# Altium PCB Nucleo Shield.PcbDoc
Units mil, origin at the board's own origin, x right, y up, seen from the top; angles counter-clockwise.
Board outline 3932.07 x 3927.06 mil, 4 copper layers (Top Layer, GND, Power, Bottom Layer), stack 23.756 mil thick; 70 components, 62 nets, 290 pads, 454 vias.
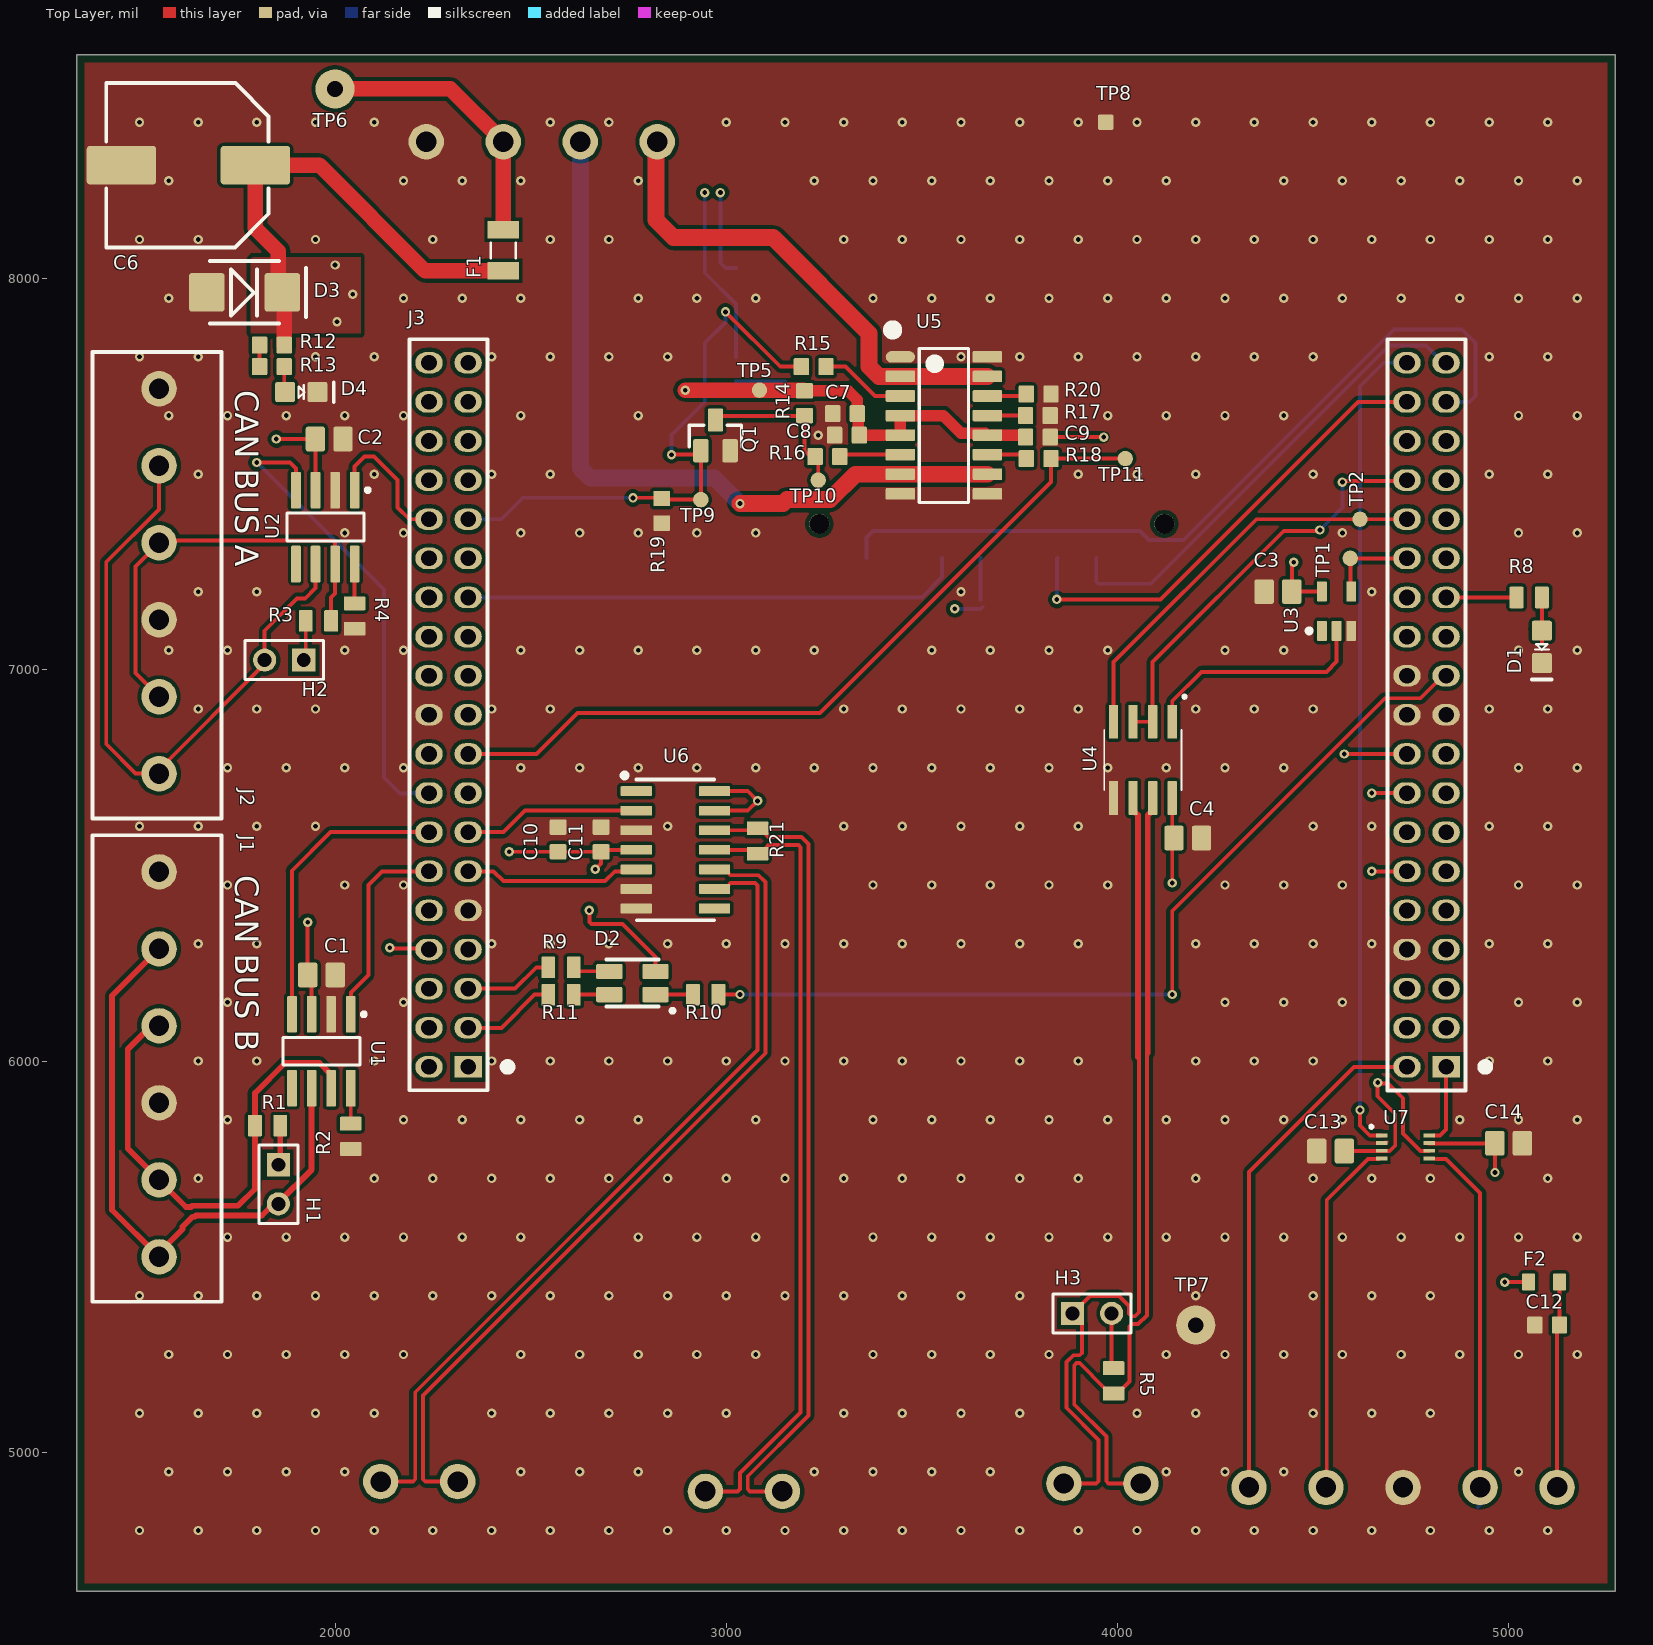
[diagram p0: Top Layer view]
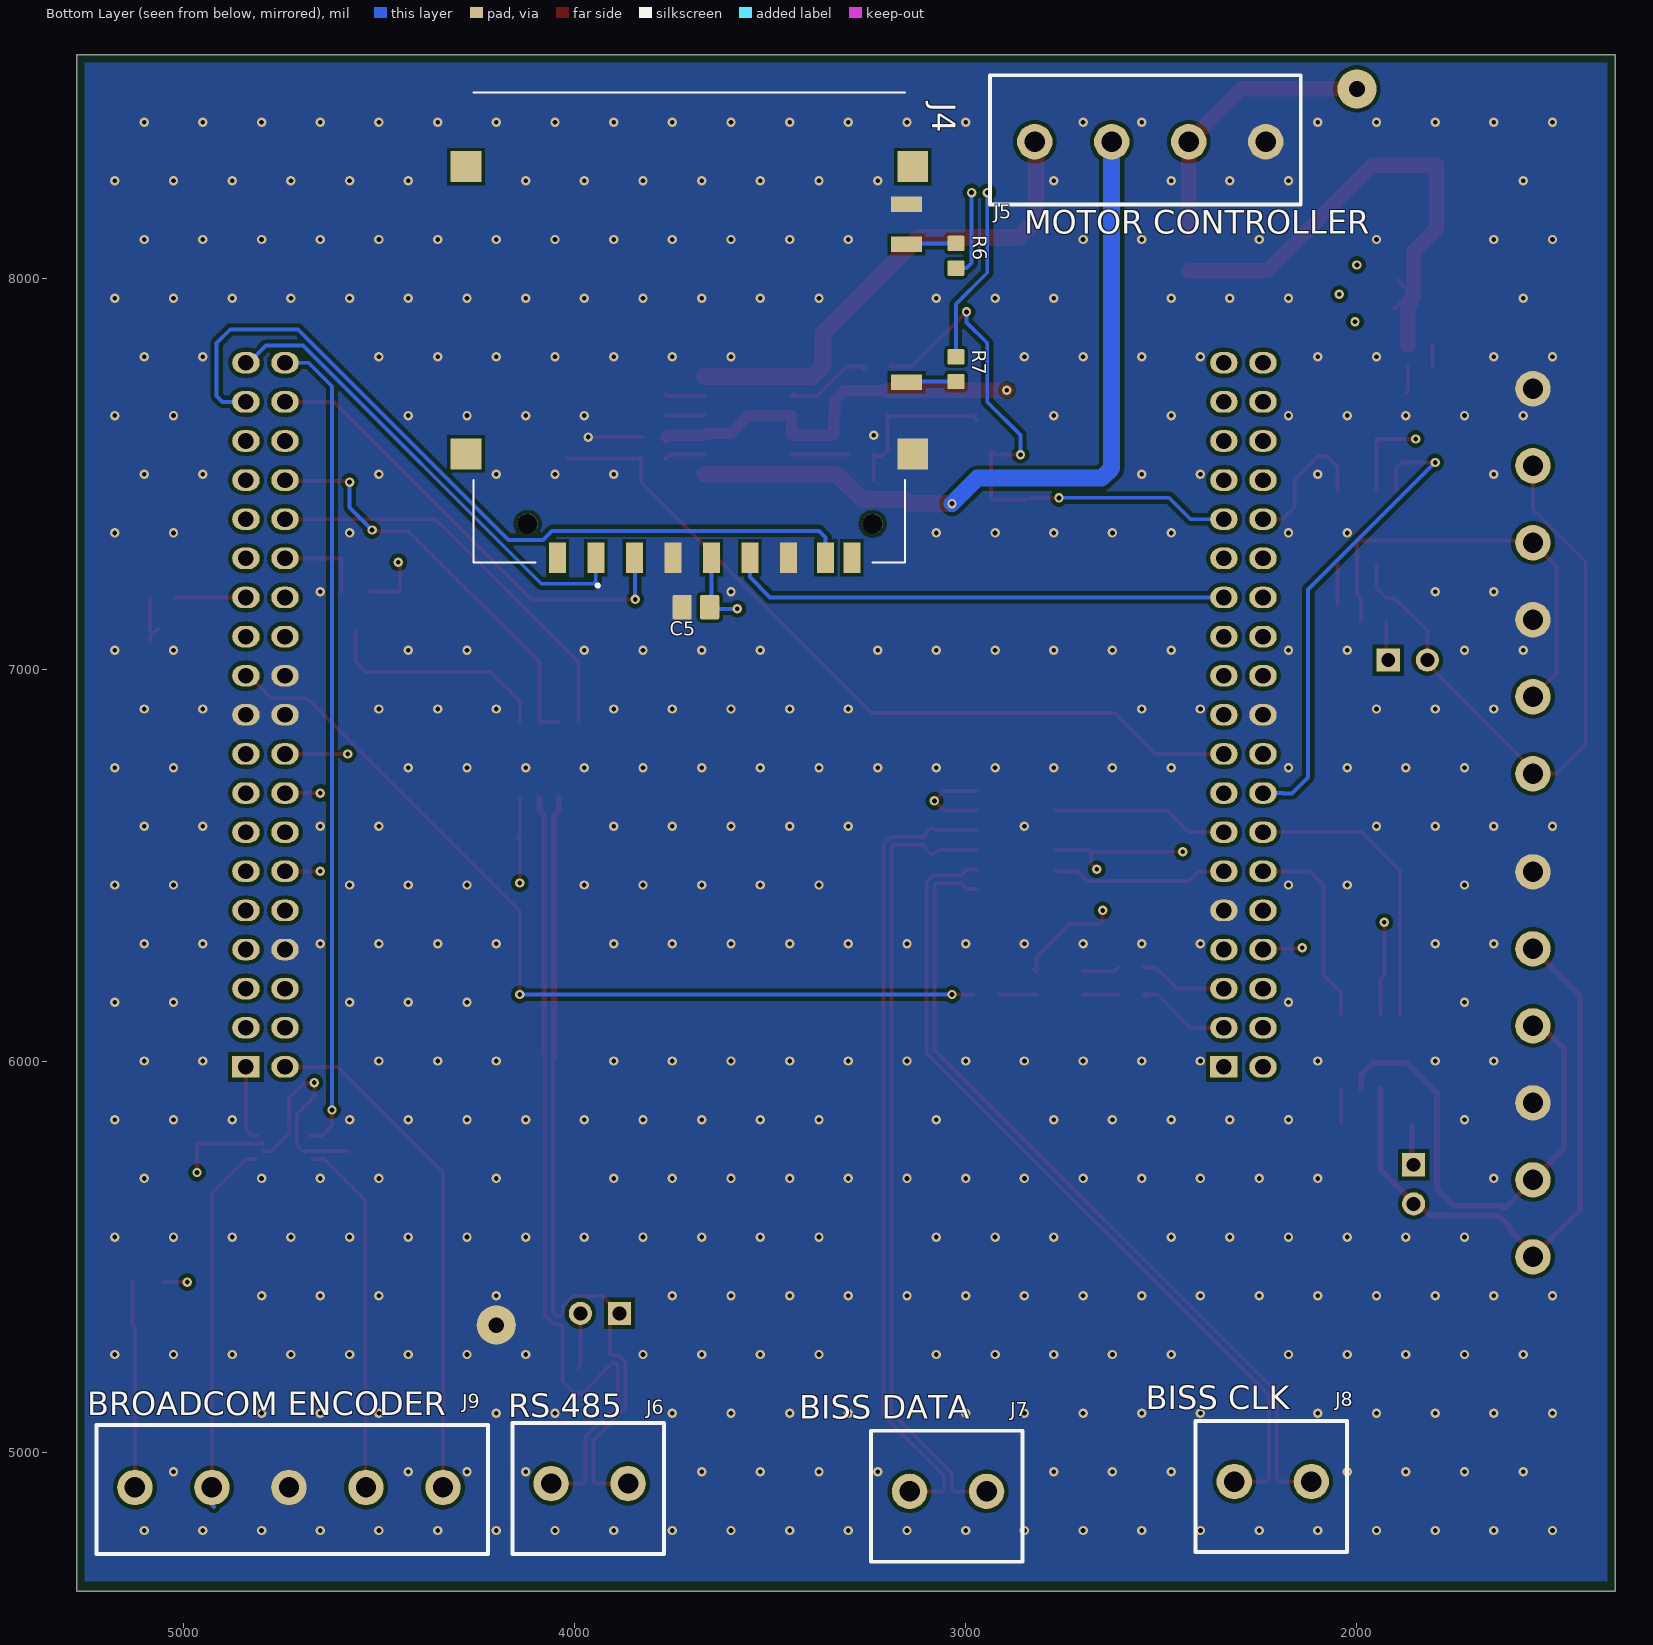
[diagram p1: Bottom Layer view, seen from below]
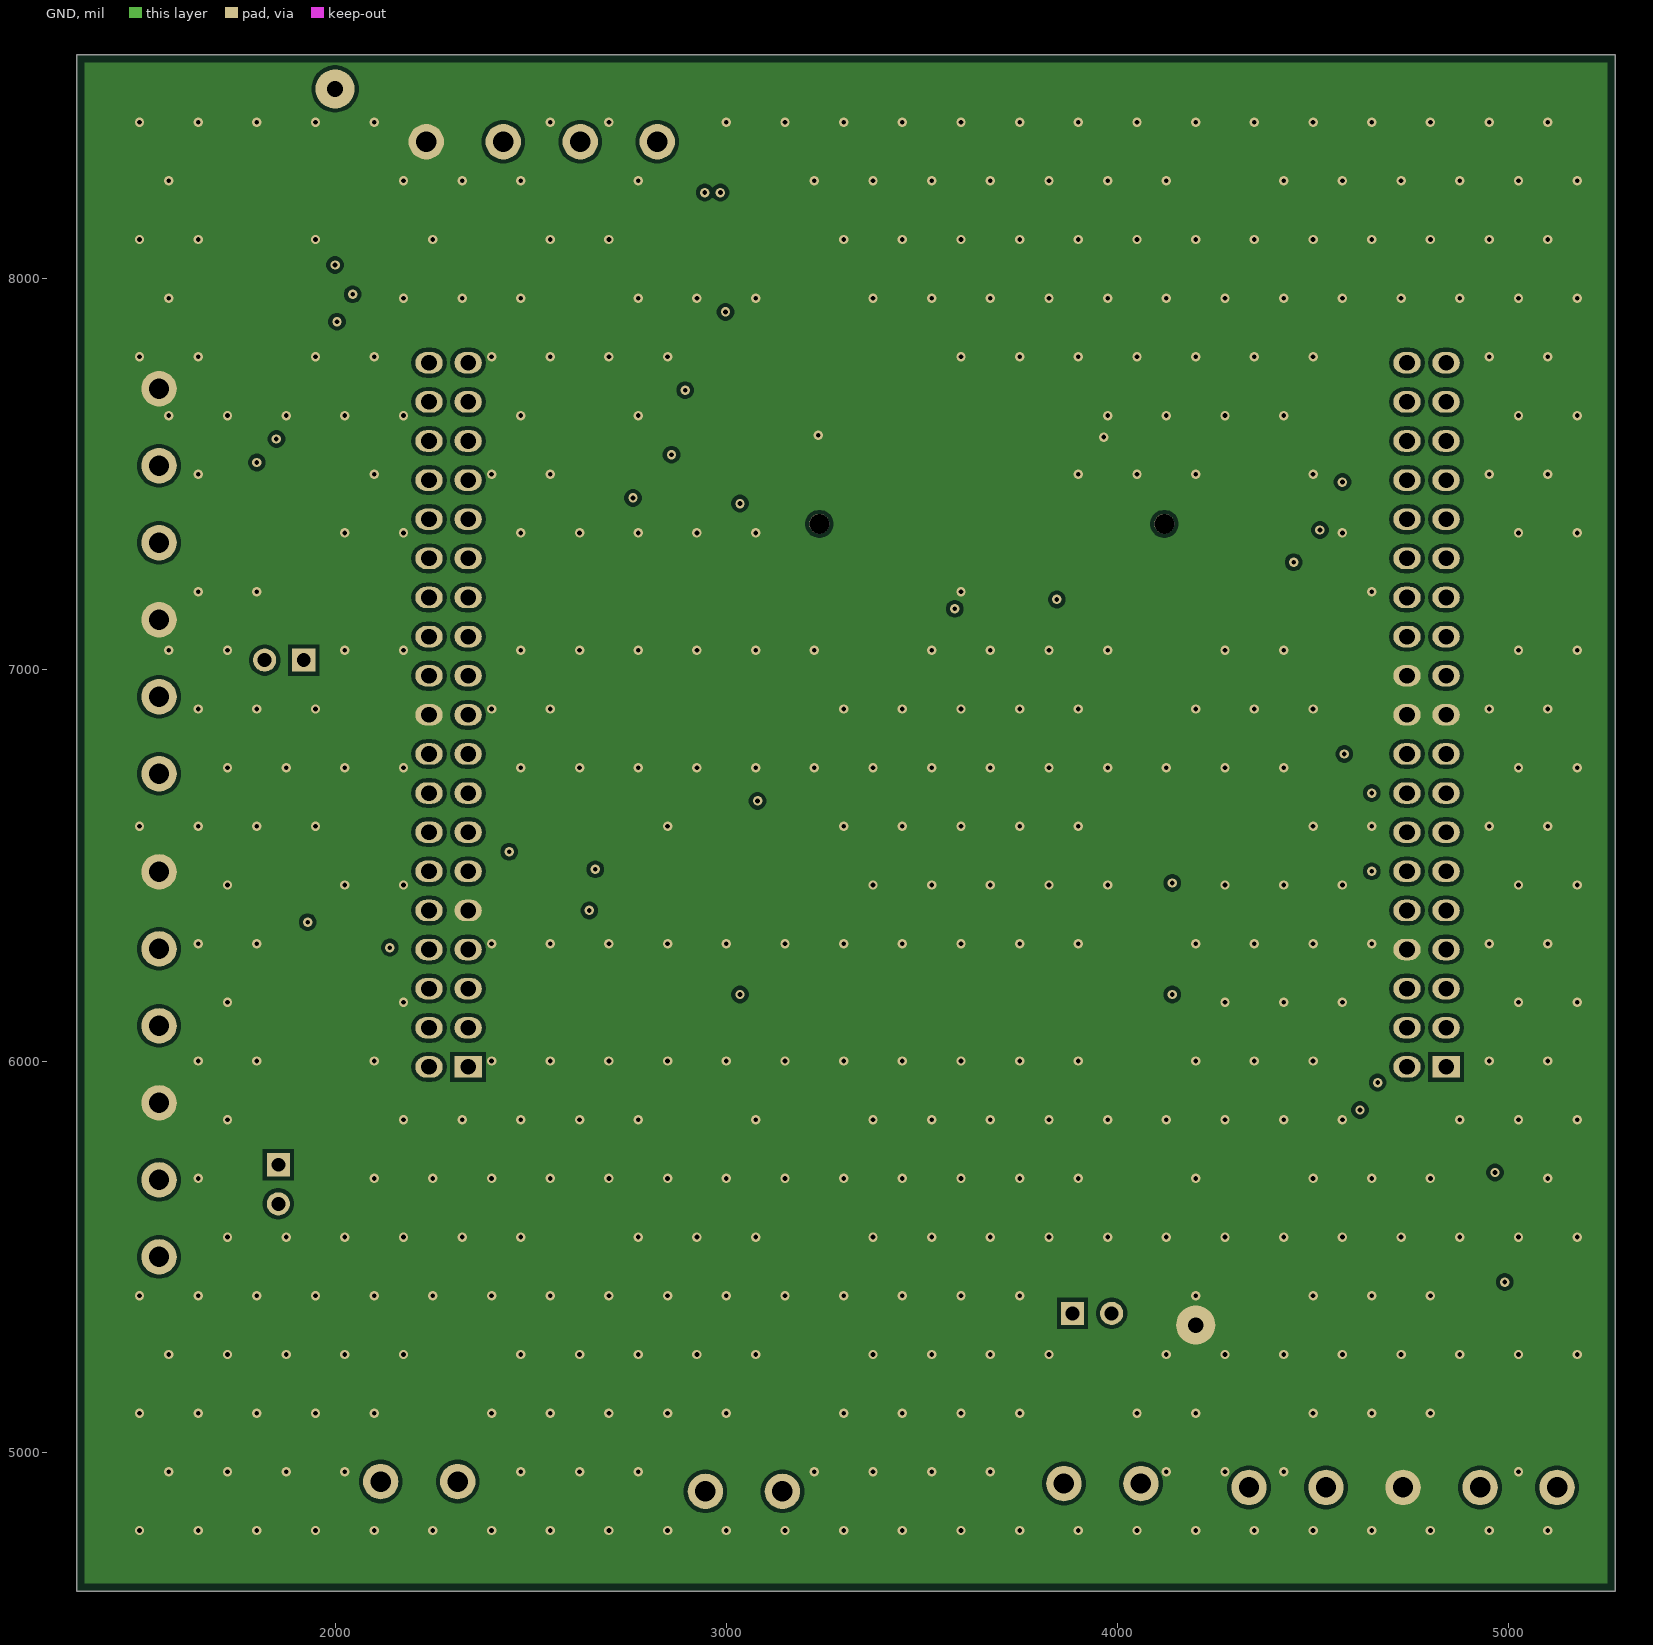
[diagram p2: GND]
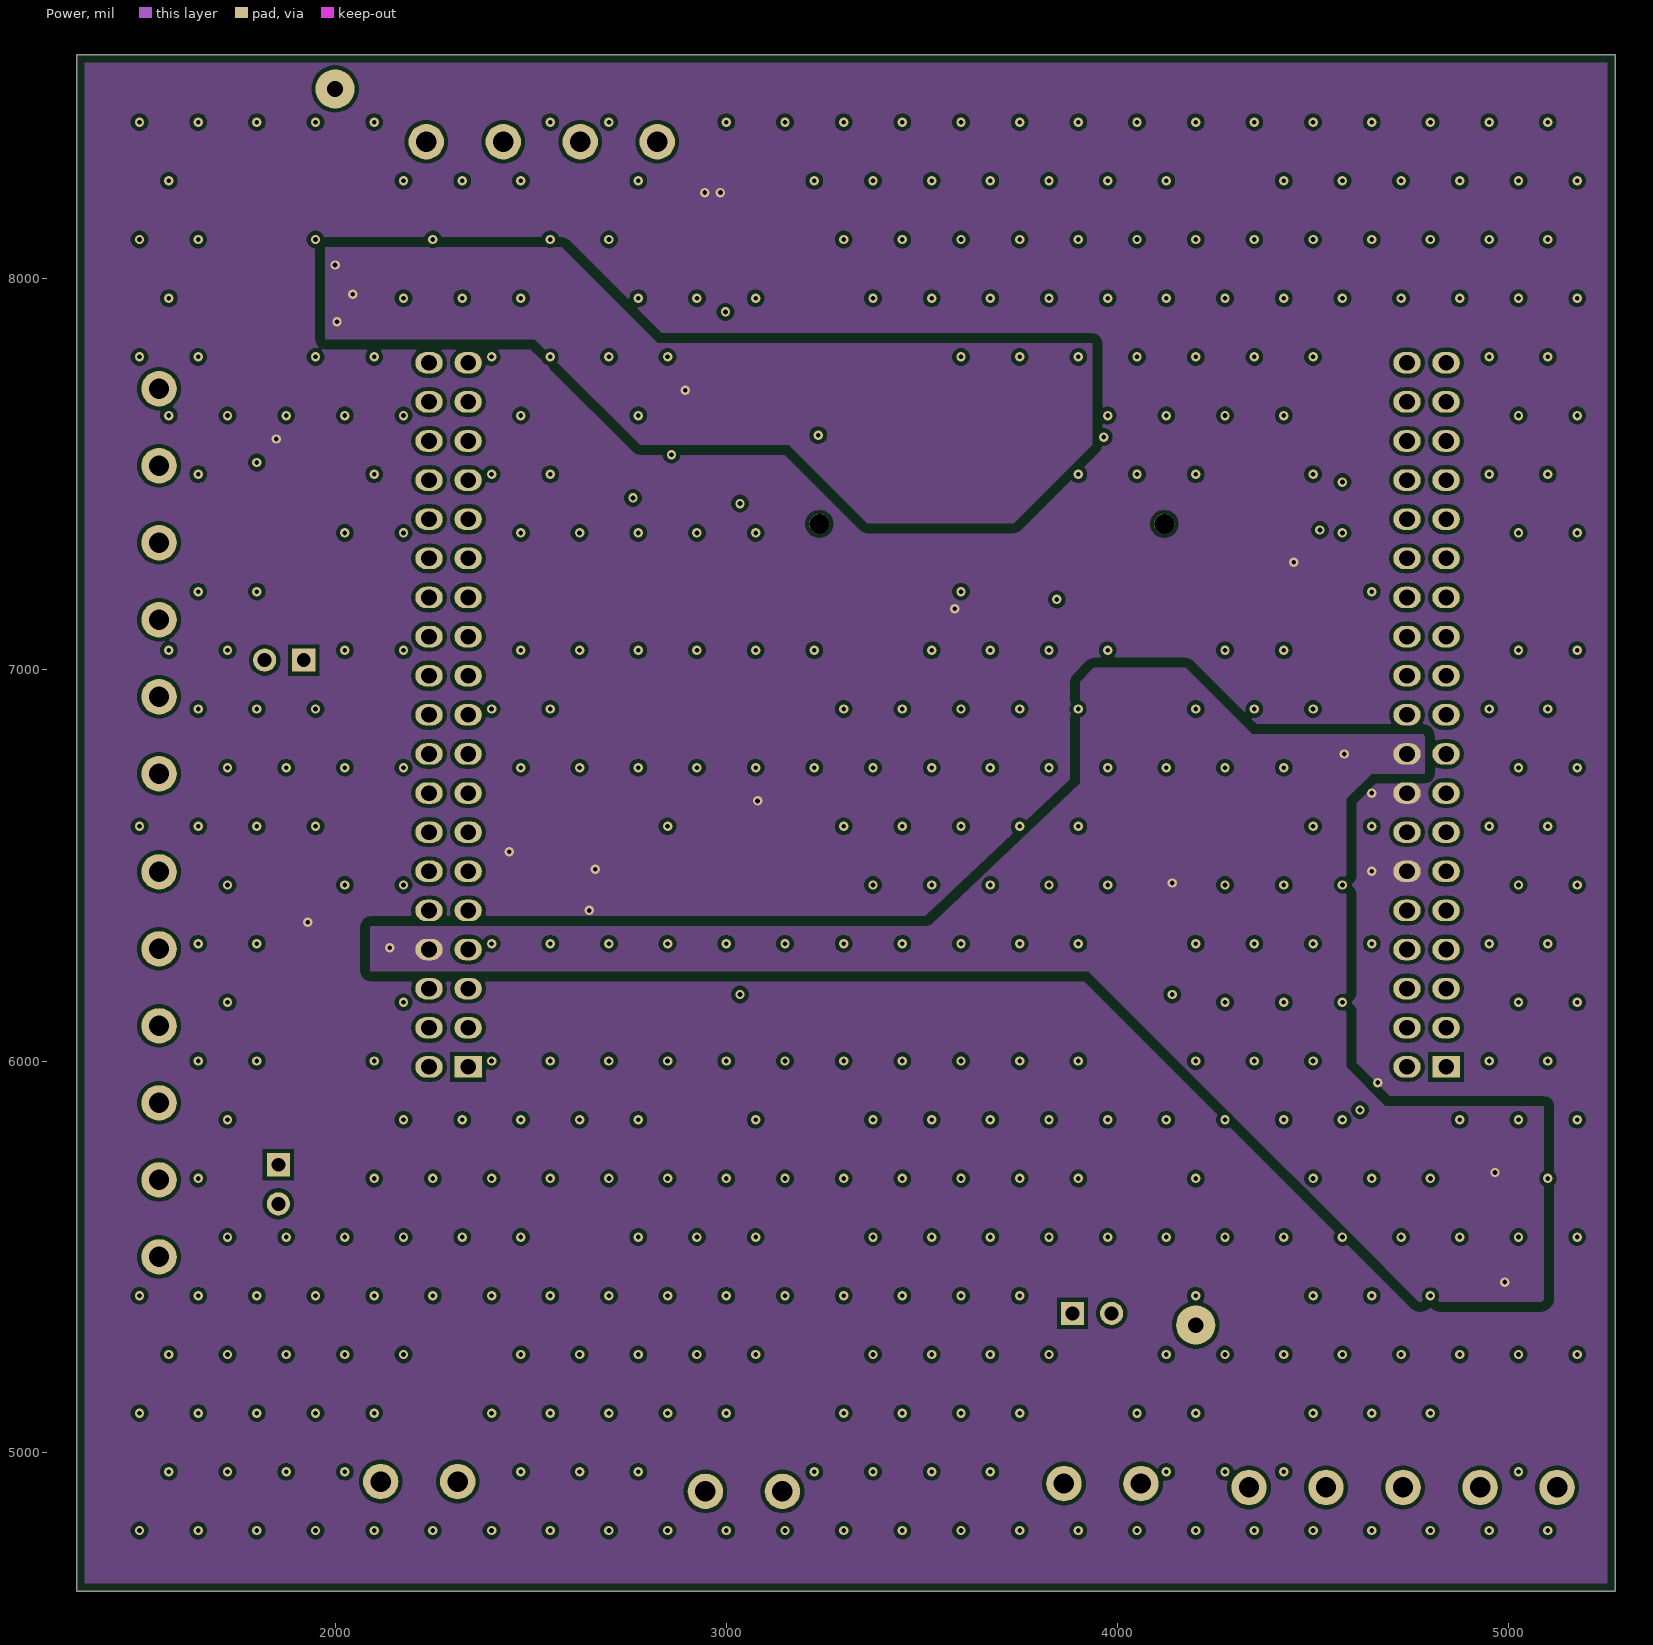
[diagram p3: Power]

## Layer stack, top to bottom
Top Solder: solder mask 0.4, Solder Resist, Dk 3.5
Top Layer: signal copper 1.4
Dielectric 2: prepreg 2.8, PP-006, Dk 4.1
GND: signal copper 1.378
Dielectric 1: dielectric 12.6, FR-4, Dk 4.8
Power: signal copper 1.378
Dielectric 3: prepreg 2.8, PP-006, Dk 4.1
Bottom Layer: signal copper 1.4
Bottom Solder: solder mask 0.4, Solder Resist, Dk 3.5

## Board outline
1340.01,4645.01 1340.02,8571.99 5271.99,8571.99 5271.99,4645.86 ccw(c5277.01,4645.86) 5272.08,4644.93 ccw(c5271.15,4640) 5271.15,4645.02

## Design rules (kind name [scope] priority, off if disabled: settings)
BoardOutlineClearance [All] p1: gap=20 ignorepadtopadclearanceinfootprint=FALSE except(5: Text-OutlineEdge Text-CavityEdge Text-CutoutEdge Text-SplitBarrior Text-SplitContinuation; 25: Track-OutlineEdge Track-CavityEdge Track-CutoutEdge Track-SplitBarrior Track-SplitContinuation)
Clearance "Power Plane Clearance" [InNet('3V3') And OnLayer('Power') or InNet('5V') and OnLayer('Power')] p1: gap=10 ignorepadtopadclearanceinfootprint=TRUE except(0: Arc-Text Track-Text Text-Hole; 5: Track-Track SMDPad-SMDPad Text-Text; 7: SMDPad-Region; 8: Arc-Arc Arc-Track Arc-SMDPad Arc-Hole Track-SMDPad Track-Region Track-Hole SMDPad-THPad SMDPad-Fill SMDPad-Poly SMDPad-Text SMDPad-Hole THPad-Hole Via-Hole Fill-Hole Poly-Hole Region-Region Region-Hole; 20: THPad-THPad Via-Via; 25: Poly-Poly)
Clearance Clearance_1 [All] p2: gap=10 ignorepadtopadclearanceinfootprint=TRUE except(0: Arc-Text Track-Text Text-Hole; 5: Track-Track SMDPad-SMDPad Text-Text; 7: SMDPad-Region; 8: Arc-Arc Arc-Track Arc-SMDPad Arc-Hole Track-SMDPad Track-Region Track-Hole SMDPad-THPad SMDPad-Fill SMDPad-Poly SMDPad-Text SMDPad-Hole THPad-Hole Via-Hole Fill-Hole Poly-Hole Region-Region Region-Hole; 20: THPad-THPad Via-Via)
DiffPairsRouting [All] p1: maxlimit=10 minlimit=10 mostfreqgap=10 toplayer_minwidth=10 toplayer_maxwidth=10 toplayer_prefwidth=10 midlayer1_minwidth=10 midlayer1_maxwidth=10 midlayer1_prefwidth=10 midlayer2_minwidth=10 midlayer2_maxwidth=10 midlayer2_prefwidth=10 bottomlayer_minwidth=10 bottomlayer_maxwidth=10 bottomlayer_prefwidth=10 maxuncoupledlength=500
HoleSize [All] p1: absolutevalues=TRUE maxlimit=200 minlimit=10 maxpercent=80.000 minpercent=20.000
HoleToHoleClearance [All] p1: gap=20 allowstackedmicrovias=TRUE
MinimumAnnularRing [All] p1: minimumring=5
MinimumSolderMaskSliver [All] p1: minsoldermaskwidth=3
PlaneConnect [IsVia] p1: planeconnectstyle=Direct reliefexpansion=20 reliefentries=4 reliefconductorwidth=10 reliefairgap=10
PolygonConnect PolygonConnect_Via [IsVia] p1: connectstyle=Direct reliefconductorwidth=10 reliefentries=4 polygonreliefangle="90 Angle" airgapwidth=10
PolygonConnect [All] p2: connectstyle=Direct reliefconductorwidth=10 reliefentries=4 polygonreliefangle="90 Angle" airgapwidth=10
RoutingVias [All] p1: holewidth=12 width=24 viastyle="Through Hole" minholewidth=6 minwidth=12 maxholewidth=24 maxwidth=50
SilkToSilkClearance [All] p1: silktosilkclearance=2
SilkToSolderMaskClearance [IsPad] p1: minsilkscreentomaskgap=2 clearancetoexposedcopper=TRUE
SolderMaskExpansion [All] p1: expansion=2 istentingtop=FALSE
Width Servos [(InNet('NetC27_2') OR InNet('NetC28_2') OR InNet('NetC29_2'))] p1: maxlimit=50 minlimit=20 preferedwidth=30 minimp=50.000000 maximp=50.000000 favimp=50.000000
Width Width_1 [All] p2: maxlimit=100 minlimit=8 preferedwidth=10 midlayer1_maxwidth=20 midlayer2_maxwidth=20 bottomlayer_maxwidth=30 minimp=50.000000 maximp=50.000000 favimp=50.000000
23 further rules are at their usual default settings.

## Classes and differential pairs
component class "SH7 - BROADCOM ENCODER": C12 C13 C14 F2 J9 U7
differential pair RS-485: +RS-485_P -RS-485_N
differential pair CANB: +CANB_P -CANB_N
differential pair CANA: +CANA_P -CANA_N
differential pair BISS_A_DATA: +BISS_A_DATA_P -BISS_A_DATA_N
differential pair BISS_A_CLK: +BISS_A_CLK_P -BISS_A_CLK_N

## Components (designator, comment, footprint, x,y, rotation, side; value= is the part's Value field where it differs from the comment)
C1 "CAP_0.1uF_50V_0805" CAP2012 1965.24,6220 r0 top value=0.1μF
C2 "CAP_0.1uF_50V_0805" CAP2012 1984.76,7590 r0 top value=0.1μF
C3 "CAP_0.1uF_50V_0805" CAP2012 4410.24,7200 r180 top value=0.1μF
C4 "CAP_0.1uF_50V_0805" CAP2012 4179.76,6570 r0 top value=0.1μF
C5 "CAP_0.1uF_50V_0805" CAP2012 3689.76,7160 r180 bottom locked value=0.1μF
C6 "CAP_270uF_50V_ALUM" RADIAL_PANASONIC_G 1625,8290 r90 top value=270μF
C7 "CAP_0.1uF_50V_0603" CAP0603 3303.5,7655 r0 top value=0.1μF
C8 "CAP_0.1uF_50V_0603" CAP0603 3308.5,7600 r0 top value=0.1μF
C9 "CAP_0.1uF_50V_0603" CAP0603 3796.5,7595 r0 top value=0.1μF
C10 "CAP_1uF_25V_0603" CAP0603 2570,6566.5 r270 top value=1μF
C11 "CAP_0.1uF_50V_0603" CAP0603 2680,6566.5 r270 top value=0.1μF
C12 "CAP_0.1uF_50V_0603" CAP0603 5098.5,5325 r0 top value=0.1μF
C13 "CAP_0.1uF_50V_0805" CAP2012 4544.76,5770 r0 top value=0.1μF
C14 "CAP_0.1uF_50V_0805" CAP2012 4999.76,5790 r0 top value=0.1μF
D1 "LED_GREEN" LED_0805_GREEN 5085,7058.66 r270 top
D2 "LED_RGB" LED_RGB 2760,6199.31 r90 top
D3 "TVS_DIODE_UNIDIR_26V" TVS_DIODE_UNIDIRECTIONAL_SMB 1768.54,7965 r180 top
D4 "LED_GREEN" LED_0805_GREEN 1913.66,7710 r0 top
F1 "FUSE_5A_1206" FUSE_1206 2430,8072.5 r270 top
F2 "FUSE_250mA_0603" FUSE_0603 5090.43,5435 r180 top
H1 "JUMPER" HDR1X2 1855,5735 r270 top
H2 "JUMPER" HDR1X2 1920,7025 r180 top
H3 "JUMPER" HDR1X2 3885,5355 r0 top
J1 "CON_6POS_SCREW_TERM" 1935200 1550,5499.45 r90 top
J2 "CON_6POS_SCREW_TERM" 1935200 1550,6734.45 r90 top
J3 "HEADER_NUCLEO" HEADER_NUCLEO 3540,6885 r180 top locked
J4 "CON_SD_CARD" HRS_DM1AA-SF-PEJ(21) 3675,7875 r0 bottom locked
J5 "CON_4M_TERM" 1935187 2528.43,8350 r180 bottom
J6 "CON_2POS_SCREW_TERM" 1935161 3961.57,4920 r180 bottom
J7 "CON_2POS_SCREW_TERM" 1935161 3045,4900 r180 bottom
J8 "CON_2POS_SCREW_TERM" 1935161 2215,4925 r180 bottom
J9 "CON_5POS_SCREW_TERM" 1935190 4730,4910 r0 bottom
Q1 "NMOS_30V_2.2A" NMOS_SSOT-3 2972.4,7599.37 r0 top
R1 "RES_120Ω_0805_1%" RESC0805 1827.52,5835 r0 top value=120Ω
R2 "RES_0Ω_0805" RESC0805 2040,5807.48 r90 top value=0Ω
R3 "RES_120Ω_0805_1%" RESC0805 1957.52,7125 r180 top value=120Ω
R4 "RES_0Ω_0805" RESC0805 2050,7137.48 r90 top value=0Ω
R5 "RES_120Ω_0805_1%" RESC0805 3990,5182.52 r90 top value=120Ω
R6 "RES_10kΩ_0603_5%" RESC0603 3025,8090 r270 bottom locked value=10kΩ
R7 "RES_10kΩ_0603_5%" RESC0603 3025,7737.01 r90 bottom locked value=10kΩ
R8 "RES_120Ω_0805_1%" RESC0805 5052.52,7185 r0 top value=120Ω
R9 "RES_20Ω_0805_1%" RESC0805 2577.52,6239.31 r180 top value=20Ω
R10 "RES_120Ω_0805_1%" RESC0805 2947.48,6170 r180 top value=120Ω
R11 "RES_20Ω_0805_1%" RESC0805 2577.52,6169.31 r180 top value=20Ω
R12 "RES_1kΩ_0603_5%" RESC0603 1807.01,7830 r0 top value=1kΩ
R13 "RES_1kΩ_0603_5%" RESC0603 1870,7775 r180 top value=1kΩ
R14 "RES_1kΩ_0603_5%" RESC0603 3200,7650 r90 top value=1kΩ
R15 "RES_1kΩ_0603_5%" RESC0603 3192.01,7775 r0 top value=1kΩ
R16 "RES_1kΩ_0603_5%" RESC0603 3227.01,7545 r0 top value=1kΩ
R17 "RES_1kΩ_0603_5%" RESC0603 3827.99,7650 r180 top value=1kΩ
R18 "RES_1kΩ_0603_5%" RESC0603 3830,7540 r180 top value=1kΩ
R19 "RES_1kΩ_0603_5%" RESC0603 2835,7375 r90 top value=1kΩ
R20 "RES_1kΩ_0603_5%" RESC0603 3830,7705 r180 top value=1kΩ
R21 "RES_120Ω_0805_1%" RESC0805 3080,6562.48 r90 top value=120Ω
TP1 "TESTPOINT_1MM_CIRCLE" TESTPOINT_CIRCLE_1MM 4595,7285 r270 top
TP2 "TESTPOINT_1MM_CIRCLE" TESTPOINT_CIRCLE_1MM 4620,7385 r270 top
TP5 "TESTPOINT_1MM_CIRCLE" TESTPOINT_CIRCLE_1MM 3085,7715 r180 top
TP6 "TESTPOINT_LOOP" TESTPOINT_LOOP 2000,8485 r180 top